# Altium PCB PCB_OBDH.PcbDoc (part 3 of 3)
Units mil, origin at the board's own origin, x right, y up, seen from the top; angles counter-clockwise.
Board outline 3627.19 x 3509.21 mil, 2 copper layers (Top Layer, Bottom Layer), stack 65.792 mil thick; 195 components, 145 nets, 736 pads, 309 vias.
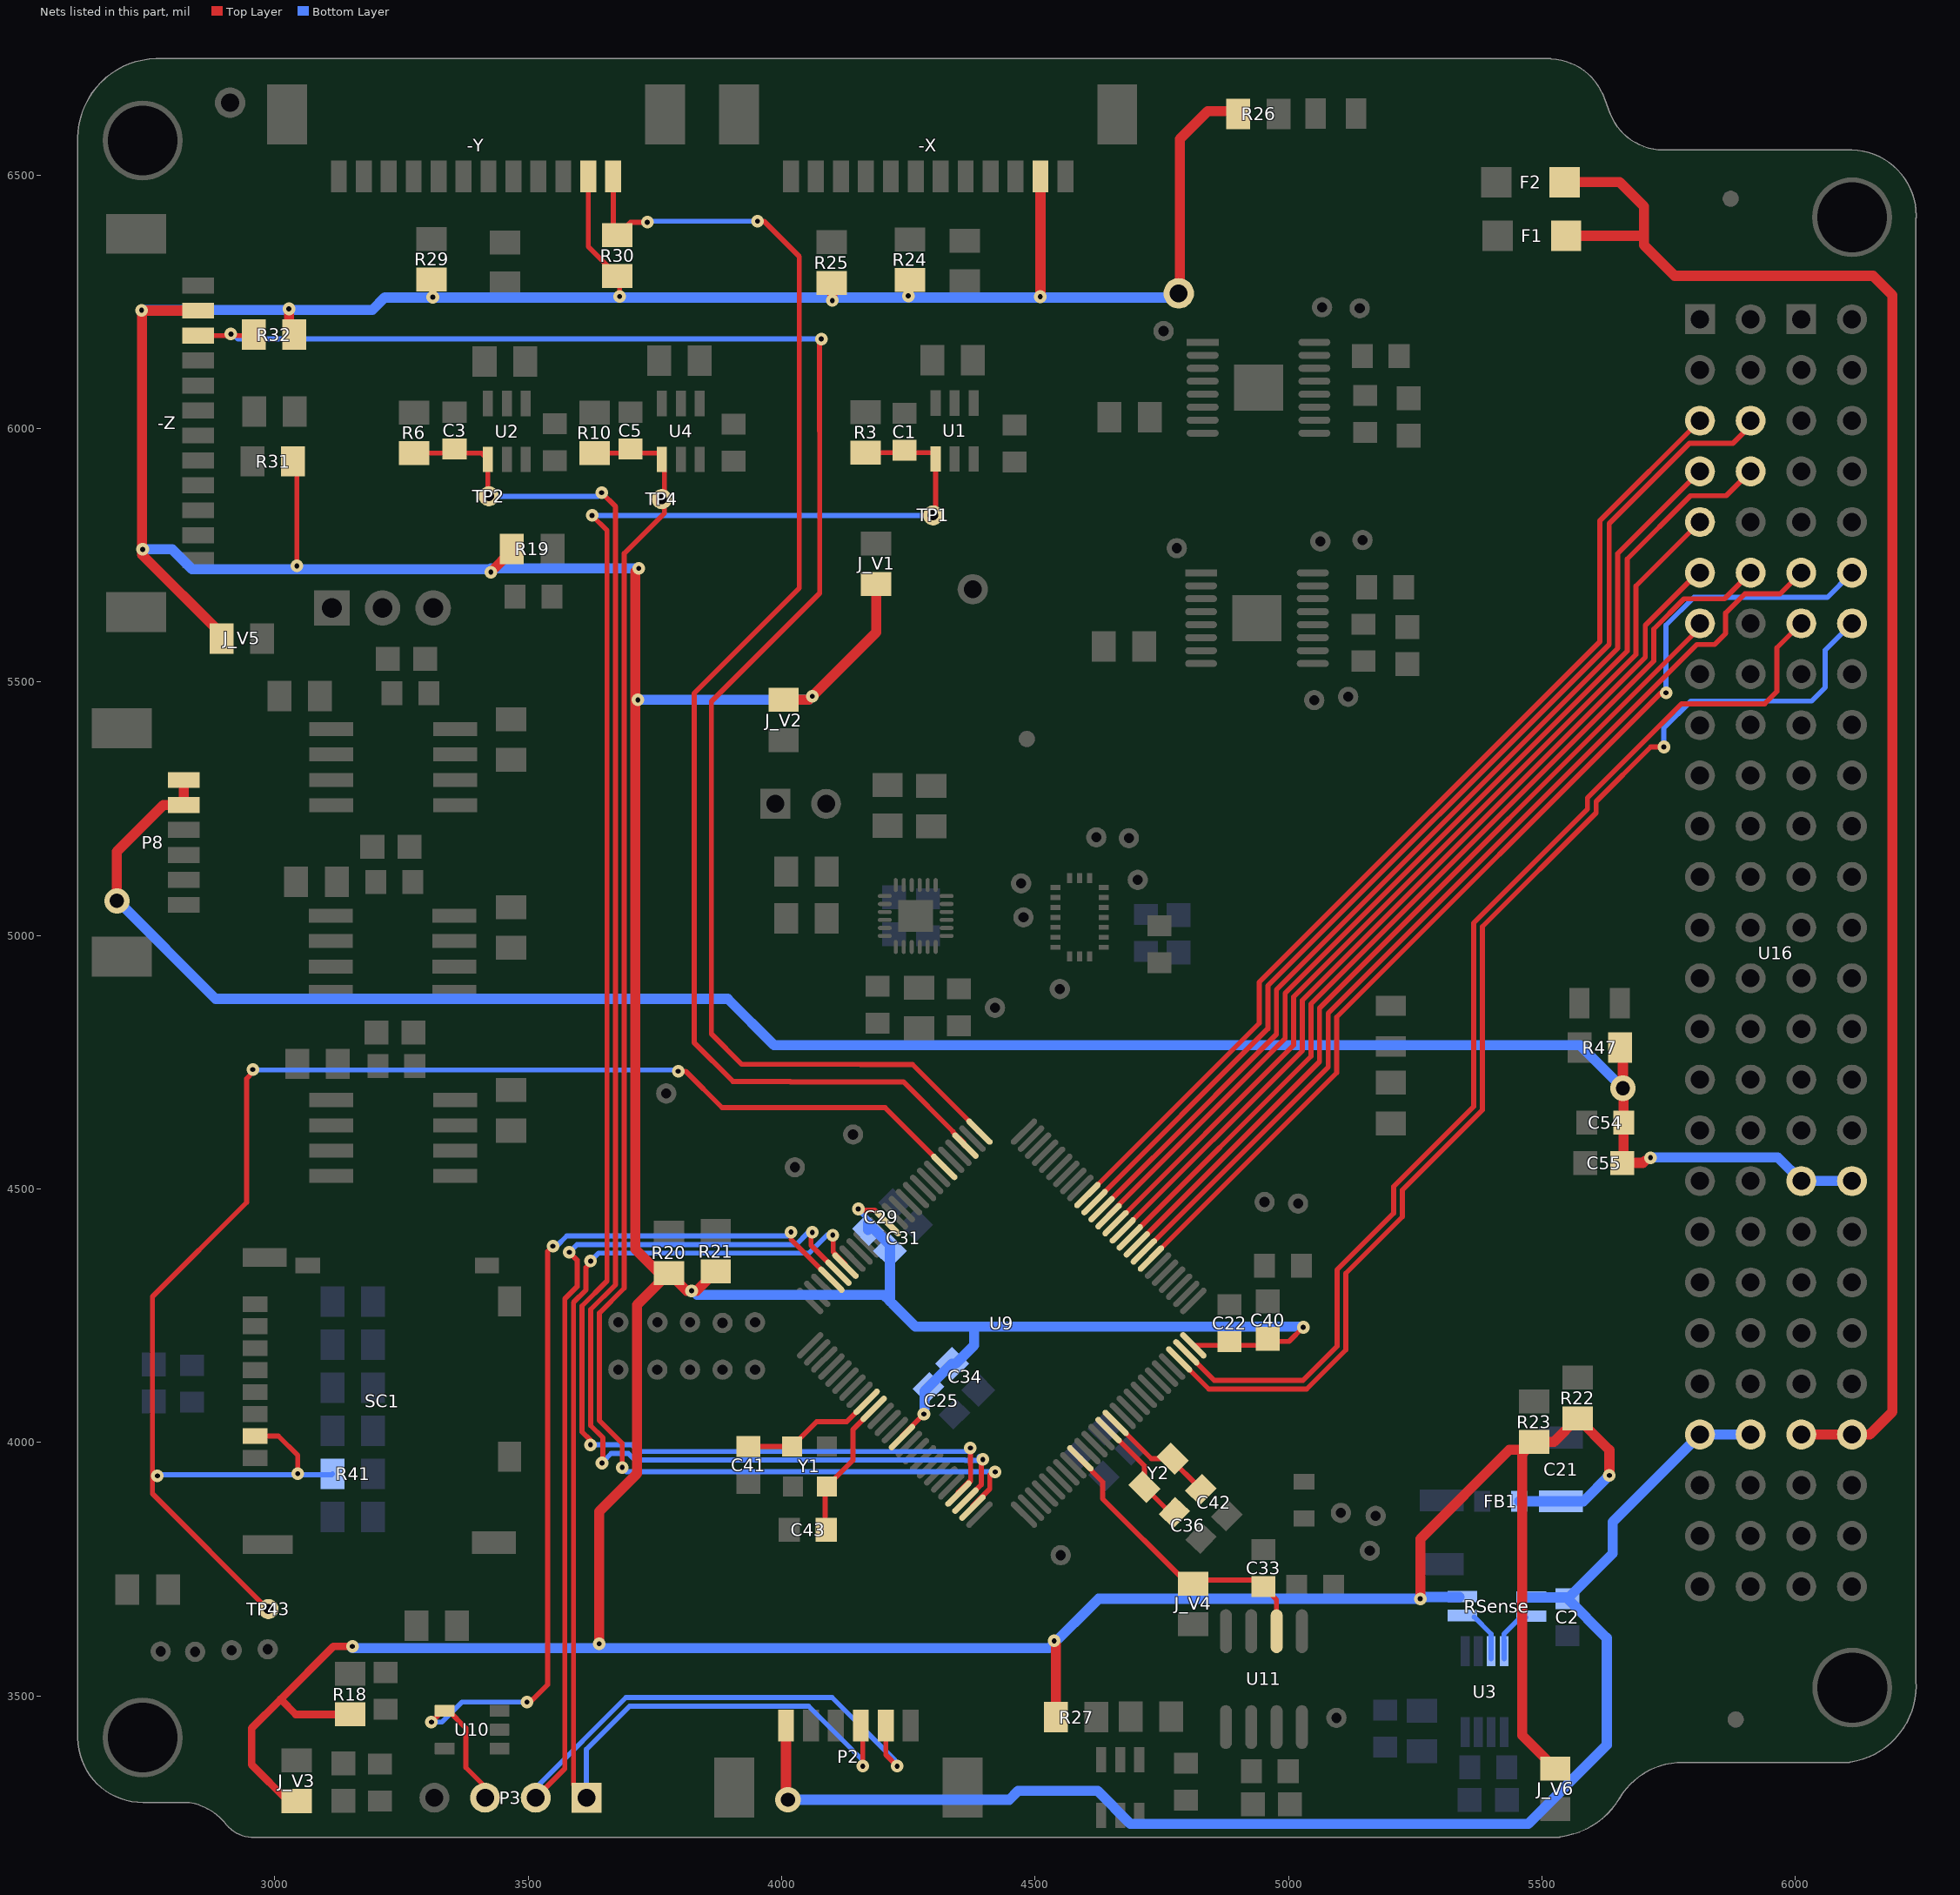
[diagram p3: the nets of this part, all layers, seen from the top]

## Via types
v1: diameter 25, hole 10, Top Layer to Bottom Layer, tented both sides, 261 vias
v2: diameter 50, hole 28, Top Layer to Bottom Layer, tented both sides, 46 vias
v3: diameter 30, hole 15, Top Layer to Bottom Layer, tented both sides, 2 vias

## Nets (pads, with @x,y where several pads share a name; then routed paths per layer and width w, separated by ;. In a path a pad name is that pad's centre, name@x,y a point inside that pad or via, vN(x,y) a via of type N, cw(c..) or ccw(c..) an arc to the next point about the centre after c; other vN are vias at no path point) (continued)
TEMP_Y_CSN: -Y.1 R30.1 U9.53 | length 2783.3
  Top Layer w10: -Y.1@3667.72,6497.64 3667.72,6389.61 R30.1@3675.98,6381.34 3701.73,6407.09 v1(3735.04,6407.09) ; v1(3952.36,6409.06) 3965.35,6409.06 4034.97,6339.44 4034.97,5685.34 3827.35,5477.71 3827.35,4788.98 3903.54,4712.79 3903.54,4711.95 4017.25,4711.95 4017.72,4711.49 4240.38,4711.49 4338.4,4613.47 4338.4,4612.19 4360.05,4590.54 4360.05,4585.51 U9.53@4362.57,4585.51
  Bottom Layer w10: v1(3735.04,6407.09) 3737.01,6409.06 v1(3952.36,6409.06) v1@3949.44,6406.14
TEMP_Z_CSN: -Z.3 R32.1 U9.51 | length 3342.1
  Top Layer w10: -Z.3@2848.82,6183.46 2956.46,6183.46 R32.1@2958.43,6185.43 ; v1@4074.8,6175.2 4074.8,5995.49 4075.11,5995.19 4075.11,5675.47 3861.35,5461.71 3861.35,4805.87 3921.26,4745.95 4155.44,4745.95 4155.91,4745.49 4258.26,4745.49 U9.51@4390.41,4613.35 U9.51@4387.89,4613.35
  Bottom Layer w10: v1@2919.29,6184.65 2927.17,6176.77 v1(4078.35,6176.77)
  other v1: 2913.39,6186.61
TTC_3V3_PA_EN: U9.35 U16.H1-12 | length 1865.4
  Top Layer w10: U9.35@4686.89,4404.55 5044.31,4761.97 5044.31,4865.07 5720.87,5541.63 5720.87,5604.72 5780.31,5664.17 5860.24,5664.17 U16.H1-12@5911.81,5715.75
TTC_CTRL_RF_SWT_RX: U9.41 U16.H1-5 | length 2028.2
  Top Layer w10: U9.41@4603.37,4488.07 4942.31,4827 4942.31,4908.03 5614.57,5580.29 5614.57,5818.5 U16.H1-5@5811.81,6015.75
TTC_CTRL_RF_SWT_TX: U9.40 U16.H1-6 | length 2128.1
  Top Layer w10: U9.40@4617.29,4474.15 4959.31,4816.17 4959.31,4900.99 5632.68,5574.36 5632.68,5812.57 5791.36,5971.26 5877.17,5971.26 5911.81,6005.91 U16.H1-6@5911.81,6015.75
TTC_GPIO0_MAIN: U9.39 U16.H1-7 | length 1944.7
  Top Layer w10: U9.39@4631.21,4460.23 4733.46,4562.48 4733.67,4562.48 4976.31,4805.12 4976.31,4893.24 5649.68,5566.61 5649.68,5753.61 U16.H1-7@5811.81,5915.75
TTC_GPIO1_MAIN: U9.38 U16.H1-8 | length 2035.4
  Top Layer w10: U9.38@4645.13,4446.31 4645.13,4448.83 4993.31,4797.01 4993.31,4886.19 5668.5,5561.39 5668.5,5742.91 5793.31,5867.72 5863.78,5867.72 U16.H1-8@5911.81,5915.75
TTC_GPIO2_MAIN: U9.37 U16.H1-9 | length 1860.8
  Top Layer w10: U9.37@4659.05,4432.39 5010.31,4783.65 5010.31,4879.15 5685.5,5554.35 5685.5,5689.44 U16.H1-9@5811.81,5815.75
TTC_RESETN_MAIN: U9.36 U16.H1-11 | length 1771.3
  Top Layer w10: U9.36@4672.97,4418.47 5027.31,4772.81 5027.31,4872.11 5703.87,5548.67 5703.87,5611.77 5807.85,5715.75 U16.H1-11@5811.81,5715.75
UART0_RX: P2.5 P3.2 U9.71 | length 2644.5
  Top Layer w10: P3.2@3514.96,3299.21 3572.37,3356.62 3572.37,4283.44 3596.46,4307.53 3596.46,4359.84 v1(3581.1,4375.2) ; v1@4057.87,4414.96 4057.87,4389.1 U9.71@4112.02,4334.96 ; P2.5@4205.51,3441.34 4205.51,3383.86 v1(4227.95,3361.42)
  Bottom Layer w10: P3.2@3523.62,3307.87 3523.62,3327.56 3692.98,3496.92 4099.54,3496.92 v1@4223.43,3373.03 ; v1(3581.1,4375.2) 3596.37,4390.46 4028.65,4390.46 4052.76,4414.57 v1(4060.63,4414.57)
UART0_TX: P2.4 P3.1 U9.70 | length 2458
  Top Layer w10: P3.1@3614.96,3299.21 3589.37,3324.8 3589.37,4276.4 3613.78,4300.81 3613.78,4345.35 3626.31,4357.87 v1(3623.23,4357.87) ; v1@4099.21,4411.81 4101.77,4409.26 4101.77,4375.56 4125.94,4351.39 U9.70@4125.94,4348.88 ; P2.4@4156.3,3441.34 4160.24,3437.4 v1(4160.24,3361.42)
  Bottom Layer w10: P3.1@3614.96,3299.21 3614.96,3394.86 3700.03,3479.92 4053.15,3479.92 4157.09,3375.98 ; v1(3623.23,4357.87) 3638.81,4373.46 4054.17,4373.46 4089.77,4409.06 v1(4100.79,4409.06)
UC_BEACON_0: U9.32 U16.H2-12 | length 2085.9
  Top Layer w10: U9.32@4728.65,4362.8 5095.31,4729.46 5095.31,4839.02 5735.03,5478.74 v1(5744.88,5478.74)
  Bottom Layer w10: v1(5744.88,5478.74) 5744.88,5612.2 5800,5667.32 6063.39,5667.32 U16.H2-12@6111.81,5715.75
UC_BEACON_1: U9.33 U16.H2-11 | length 1937.5
  Top Layer w10: U9.33@4714.73,4376.72 5078.31,4740.29 5078.31,4846.81 5805.71,5574.22 5840.76,5574.22 5862.6,5596.06 5862.6,5636.22 5900.6,5674.22 5970.09,5674.22 U16.H2-11@6011.61,5715.75
UC_BEACON_2: U9.23 U16.H2-14 | length 2386.4
  Top Layer w10: U9.23@4784.33,4163.75 4842.63,4105.44 5035.78,4105.44 5113.06,4182.72 5113.06,4333.7 5224.64,4445.28 5224.64,4497.84 5382.54,4655.74 5382.54,5017.64 5607,5242.1 5607,5264.48 5714.56,5372.05 v1(5740.55,5372.05)
  Bottom Layer w10: v1(5740.55,5372.05) 5740.55,5409.06 5794.09,5462.6 6032.28,5462.6 6059.06,5489.37 6059.06,5562.99 U16.H2-14@6111.81,5615.75
UC_BEACON_3: U9.24 U16.H2-13 | length 2249.8
  Top Layer w10: U9.24@4798.24,4177.67 4853.47,4122.44 5028.74,4122.44 5096.06,4189.76 5096.06,4340.74 5207.64,4452.32 5207.64,4504.89 5365.54,4662.78 5365.54,5024.68 5590,5249.14 5590,5271.52 5775.75,5457.28 5939.56,5457.28 5963.78,5481.5 5963.78,5567.72 U16.H2-13@6011.81,5615.75
USDCARD_CE: R41.1 SC1.2 TP43.1 U9.56 | length 3173.2
  Top Layer w10: v1(2956.69,4735.83) 2956.69,4730.08 2944.33,4717.72 2944.33,4473.35 2758.66,4287.68 2758.66,3898.84 2986.25,3671.26 TP43.1@2987.4,3671.26 ; SC1.2@2961.18,4012.8 3007.28,4012.8 3045.28,3974.8 v1(3045.28,3938.58) ; v1(3796.06,4732.28) 3810.63,4732.28 3882.43,4660.49 4204.07,4660.49 U9.56@4320.81,4543.75
  Bottom Layer w10: v1@2759.45,3936.22 3112.36,3936.22 R41.1@3113.94,3937.8 ; v1@2961.42,4731.1 2965.05,4734.74 3793.61,4734.74 v1(3796.06,4732.28)
  other v1: 2768.5,3934.25
VCC_3V3: -X.2 -Y.2 -Z.2 C21.1 C22.1 C25.1 C29.1 C31.1 C34.1 C40.1 FB1.1 J_V1.2 J_V2.2 J_V3.2 J_V5.2 J_V6.2 pad.4 R18.2 R19.2 R20.2 R21.2 R22.2 R23.2 R24.2 R25.2 R26.2 R27.1 R29.2 R30.2 R31.2 R32.2 RSense.2 U9.25 U9.64 U9.89 | length 14658.1
  Top Layer w10: v1(3043.7,5729.13) R31.2@3043.7,5927.8 ; -Y.2@3618.5,6497.64 3618.5,6358.82 R30.2@3675.98,6301.34 3680.32,6297.01 v1(3680.32,6260.63) ; v1@3812.52,4299.21 v1(3822.44,4299.21) ; v1@4159.84,4457.87 4183.97,4457.87 U9.64@4209.45,4432.39 ; U9.89@4237.29,4012.49 v1(4280.71,4055.91) ; U9.25@4812.16,4191.59 4946.79,4191.59 4950.74,4195.53 4950.74,4199.3 5001.27,4199.3 v1(5029.13,4227.17)
  Top Layer w15: J_V3.2@3026.77,3291.89 2954.28,3364.38 2954.28,3436.17 3011.61,3493.5 ; R18.2@3148.43,3463.54 3041.57,3463.54 3011.61,3493.5 ; v1(3153.15,3597.64) 3115.75,3597.64 3011.61,3493.5
  Top Layer w20: -Z.2@2848.82,6232.68 2738.19,6232.68 2738.19,5751.28 2895.04,5594.43 J_V5.2@2895.04,5585.83 ; v1(3027.95,6236.22) 3027.95,6201.42 3029.13,6200.24 3026.38,6197.48 R32.2@3038.43,6185.43 ; R31.2@3036.06,5935.43 R31.2@3043.7,5927.8 ; v1(3426.38,5716.93) 3467.87,5758.43 R19.2@3467.87,5762.6 ; v1(3640.2,3602.83) 3640.2,3863.84 3714.93,3938.57 3714.93,3956.3 3714.95,4271.57 R20.2@3777.56,4334.17 ; v1@3711.51,5717.81 3711.51,4381.01 3758.35,4334.17 R20.2@3777.56,4334.17 ; v1@3812.52,4299.21 R20.2@3777.56,4334.17 ; v1@3832.13,4299.21 R21.2@3870.08,4337.17 ; J_V2.2@4003.94,5465.2 v1@4053.78,5465.2 ; v1(4060.63,5472.05) 4186.61,5598.03 J_V1.2@4186.61,5693.46 ; R25.2@4098.43,6287.56 R25.2@4109.21,6287.56 ; v1(4100,6252.76) R25.2@4100,6285.98 ; v1@4509.45,6260.24 4510.63,6261.42 -X.2@4510.63,6497.64 ; v1@4537.4,3606.69 4541.1,3602.99 R27.1@4541.1,3458.27 ; pad.4@4783.46,6266.93 ccw(c4777.76,6272.63) 4785.83,6272.63 4785.83,6571.26 4840.94,6626.38 R26.2@4895.43,6626.38 ; pad.4@4788.19,6258.66 pad.4@4788.19,6266.93 ; v1(5260.11,3691.61) 5260.11,3809.72 5435.83,3985.43 R23.2@5469.13,3985.43 ; J_V6.2@5526.38,3356.93 5461.02,3422.28 5461.02,3977.32 R23.2@5469.13,3985.43 ; v1(5633.07,3935.04) 5633.07,3985.2 R22.2@5570.47,4047.8 5523.62,4000.94 R23.2@5484.65,4000.94 R23.2@5469.13,3985.43
  Bottom Layer w10: v1@4151.18,4459.06 C29.1@4170.31,4439.92
  Bottom Layer w20: v1(2737.4,6233.46) 2737.81,6233.87 3192.53,6233.87 3217.32,6258.66 pad.4@4788.19,6258.66 ; v1(2739.37,5761.81) 2797.64,5761.81 2836.61,5722.83 v1@3419.29,5722.83 ; v1@3153.15,3594.05 4527.91,3594.05 4625.47,3691.61 v1(5260.11,3691.61) 5263.78,3695.28 RSense.2@5337.2,3695.28 ; v1@3426.38,5724.41 v1(3718.11,5724.41) ; v1(3716.54,5464.96) 4031.89,5464.96 4031.65,5465.2 v1@4053.78,5465.2 ; 3833.07,4290.94 4201.59,4290.94 4213.81,4278.73 4213.81,4377.59 C31.1@4213.87,4377.65 4213.87,4389.28 4170.31,4432.84 C29.1@4170.31,4419.13 ; v1@4151.18,4459.06 v1(4151.18,4460.63) ; 4218.5,4274.01 4264.13,4228.37 4379.92,4228.37 ; v1@4282.28,4066.54 4282.28,4101.39 C34.1@4336.31,4155.42 4344,4155.42 4379.92,4191.34 4379.92,4228.37 ; v1(5029.13,4227.17) 5027.93,4228.37 4379.92,4228.37 ; FB1.1@5454.92,3883.86 C21.1@5537.8,3883.86 5581.89,3883.86 v1(5633.07,3935.04)
  other v1: 4537.67,3608.54 3311.81,6259.45 4510.24,6260.24 4250,6261.81
VCC_3V3_DEPLOYMENT: C54.1 C55.1 P8.1 P8.2 R47.2 U16.H2-35 U16.H2-36 | length 4145.4
  Top Layer w20: v2(2688.58,5068.5) 2688.58,5165.75 2780.32,5257.48 P8.2@2820.47,5257.48 P8.1@2820.47,5306.69 ; v2(5659.84,4698.82) R47.2@5659.84,4773.07 ; v2@5661.22,4717.76 C54.1@5661.22,4631.1 5661.22,4554.13 C55.1@5658.66,4551.57 5699.21,4551.57 5703.15,4555.51
  Bottom Layer w20: v2(2688.58,5068.5) 2690.16,5068.5 2883.46,4875.2 3893.7,4875.2 3985.04,4783.86 5574.8,4783.86 v2(5659.84,4698.82) ; v1(5714.17,4561.81) 5714.64,4562.28 5965.28,4562.28 U16.H2-35@6011.81,4515.75 U16.H2-36@6111.81,4515.75
VCC_3V3_SOURCE: C2.1 P2.1 RSense.1 U16.H1-45 U16.H1-46 | length 2788.3
  Top Layer w10: v2@4005.91,3301.97 v2@4008.66,3304.72 ; P2.1@4008.66,3441.34 P2.1@4009.45,3442.13
  Top Layer w20: v2@4008.66,3304.72 P2.1@4008.66,3441.34
  Bottom Layer w20: v2(4012.6,3295.28) 4449.23,3295.28 4466.52,3312.57 4623.27,3312.57 4688.1,3247.74 5472.93,3247.74 5627.95,3402.77 5627.95,3614.37 C2.1@5550.39,3691.93 C2.1@5552.76,3694.29 ; RSense.1@5473.03,3694.29 C2.1@5552.76,3694.29 ; U16.H1-46@5911.81,4015.75 U16.H1-45@5811.81,4015.75 5639.37,3843.31 5639.37,3780.91 C2.1@5552.76,3694.29
VCC_5V_EN: U9.34 U16.H1-13 | length 1685.3
  Top Layer w10: U9.34@4700.81,4390.63 5061.31,4751.13 5061.31,4856.69 5811.81,5607.2 U16.H1-13@5811.81,5615.75
VCC_MAGNETORQUER: F1.2 F2.2 U16.H2-45 U16.H2-46 | length 3338.1
  Top Layer w20: F2.2@5545.06,6486.22 5653.15,6486.22 5701.18,6438.19 5701.18,6379.92 ; F1.2@5547.81,6380.31 5700.79,6380.31 5701.18,6379.92 ; U16.H2-45@6011.81,4015.75 U16.H2-46@6111.81,4015.75 6146.85,4015.75 6191.73,4060.63 6191.73,6262.99 6153.15,6301.57 5761.81,6301.57 5701.18,6362.2 5701.18,6379.92
VREF: C33.1 J_V4.1 U9.9 U11.6 | length 588.3
  Top Layer w10: U9.9@4589.45,3968.88 4589.45,3966.36 4633.61,3922.21 4633.61,3888.89 4794.12,3728.37 4937.97,3728.37 C33.1@4950.39,3715.94 4976.38,3689.96 4976.38,3633.46 U11.6@4970.47,3627.56
VSENSE2_N: RSense.4 U3.7 | length 96.4
  Bottom Layer w10: RSense.4@5366.14,3655.91 5399.8,3622.24 U3.7@5399.8,3573.43
VSENSE2_P: RSense.3 U3.8 | length 105.6
  Bottom Layer w10: U3.8@5425.39,3573.43 5425.39,3610.45 5425.1,3610.75 5425.1,3622.34 5457.33,3654.58 RSense.3@5468.26,3654.58
WDI_EXT: P3.3 U9.72 U10.4 | length 1962.4
  Top Layer w10: v1(3309.06,3448.43) 3331.5,3470.87 U10.4@3335.24,3470.87 3342.91,3470.87 3377.17,3436.61 3377.17,3358.66 3414.96,3320.87 P3.3@3414.96,3299.21 ; v1@3506.69,3490.55 3538.37,3522.23 3538.37,4376.95 v1(3548.81,4387.39) ; v1(4018.5,4414.96) 4018.5,4400.63 U9.72@4098.1,4321.04
  Bottom Layer w10: v1(3309.06,3448.43) 3329.92,3448.43 3369.29,3487.8 v1(3497.64,3487.8) ; v1(3548.81,4387.39) 3555.96,4387.39 3576.03,4407.46 v1@4012.2,4407.46
X_SUNSEN_ADC: C1.2 R3.1 TP1.1 U1.4 U9.97 | length 3692.3
  Top Layer w10: v1(3622.83,3995.28) 3622.83,4004.4 3606.37,4020.87 3606.37,4269.36 3655.51,4318.5 3655.51,5799.21 v1(3625.98,5828.74) ; R3.1@4165.75,5952.52 U1.4@4305.51,5952.52 ; TP1.1@4298.82,5828.74 4303.94,5833.86 U1.4@4303.94,5940.16 ; TP1.1@4302.76,5815.75 TP1.1@4303.94,5816.93 ; v1@4372.44,3986.22 4372.35,3986.13 4372.35,3956.39 4372.82,3955.92 4372.82,3925.97 ; 4372.82,3925.97 4348.65,3901.8 U9.97@4348.65,3899.28 4372.82,3923.45 4372.82,3925.97
  Bottom Layer w10: v1(3622.83,3995.28) 3704.68,3995.28 3717.67,3982.28 4365.35,3982.28 4372.04,3988.97 v1(4372.43,3988.97) ; v1(3625.98,5828.74) TP1.1@4298.82,5828.74
XT1IN: C36.2 U9.13 Y2.1 | length 221.5
  Top Layer w10: U9.13@4645.13,4024.55 4715.86,3953.82 Y2.1@4715.86,3912.32 4766.59,3861.59 C36.2@4774.82,3861.59
XT1OUT: C42.2 U9.14 Y2.2 | length 220.2
  Top Layer w10: U9.14@4659.05,4038.47 4729.53,3968 Y2.2@4771.54,3968 4771.54,3963.5 4820.71,3914.33 C42.2@4820.71,3918.83
XT2_N: C41.1 U9.84 Y1.1 | length 254.4
  Top Layer w10: C41.1@3949.8,3992.13 Y1.1@4020.47,3992.13 4069.29,4040.94 4128.41,4040.94 U9.84@4167.7,4080.23
XT2_P: C43.1 U9.85 Y1.3 | length 258.7
  Top Layer w10: C43.1@4085.83,3842.32 Y1.3@4085.83,3909.84 ; Y1.3@4089.37,3913.39 4140.55,3964.57 4140.55,4025.25 U9.85@4181.61,4066.31
Y_SUNSEN_ADC: C3.2 R6.1 TP2.1 U2.4 U9.98 | length 3255.1
  Top Layer w10: R6.1@3274.81,5951.73 3408.12,5951.73 U2.4@3420.48,5939.37 TP2.1@3420.48,5855.51 ; v1(3644.88,5873.62) 3672.51,5845.99 3672.51,4311.46 3623.37,4262.32 3623.37,4033.46 3647.33,4009.5 3647.33,3961.11 v1(3645.67,3959.45) ; U9.98@4362.57,3885.36 4393.77,3916.56 v1@4393.77,3956.3
  Bottom Layer w10: TP2.1@3435.04,5866.54 3637.8,5866.54 v1(3644.88,5873.62) ; 3655.12,3969.68 3663.71,3978.28 3697.64,3978.28 3710.63,3965.28 4361.47,3965.28 4362.28,3964.47 4382.58,3964.47 4382.98,3964.87 4395.19,3964.87 v1(4396.85,3966.54) 4390.75,3972.64 4389.35,3971.24 v1@4389.35,3966.54
Z_SUNSEN_ADC: C5.2 R10.1 TP4.1 U4.4 U9.99 | length 3001
  Top Layer w10: R10.1@3625.98,5951.73 R10.1@3630.71,5951.73 U4.4@3762.2,5951.73 ; v1(3685.43,3950.79) 3685.43,3998.24 3640.37,4043.31 3640.37,4255.28 3689.51,4304.42 3689.51,5753.69 3768.9,5833.07 3768.9,5917.32 U4.4@3763.78,5922.44 ; U9.99@4376.49,3871.44 4376.49,3873.96 4410.77,3908.24 v1@4410.77,3936.76
  Bottom Layer w10: v1(3685.43,3950.79) 3693.5,3942.72 3694.18,3942.04 4420.96,3942.04 v1(4421.26,3941.73)
pads on no net: -X.0 -X.9 -Y.0 -Y.9 -Z.0 -Z.9 FD5.1 FD5_1.1 FD5_2.1 FD9.1 FD9_1.1 FD9_2.1 P2.0 P8.0 U3.4 U3.5 U5.5 U5.8 U5.16 U5.18 U6.2 U6.3 U6.4 U6.5 U6.6 U6.7 U6.14 U6.15 U6.16 U6.17 U6.19 U6.21 U6.25 U8.5 U8.7 U8.9 U8.10 U9.91 U9.92 U9.93 U9.94 U11.1 U11.7 U11.8 U16.H1-1 U16.H1-2 U16.H1-3 U16.H1-4 U16.H1-10 U16.H1-14 U16.H1-15 U16.H1-16 U16.H1-17 U16.H1-19 U16.H1-21 U16.H1-22 U16.H1-23 U16.H1-24 U16.H1-25 U16.H1-26 U16.H1-27 U16.H1-28 U16.H1-33 U16.H1-34 U16.H1-36 U16.H1-38 U16.H1-42 U16.H1-44 U16.H1-47 U16.H1-48 U16.H1-49 U16.H1-50 U16.H1-51 U16.H1-52 U16.H2-1 U16.H2-2 U16.H2-3 U16.H2-4 U16.H2-5 U16.H2-6 U16.H2-7 U16.H2-8 U16.H2-9 U16.H2-10 U16.H2-15 U16.H2-16 U16.H2-17 U16.H2-18 U16.H2-19 U16.H2-20 U16.H2-21 U16.H2-22 U16.H2-23 U16.H2-24 U16.H2-25 U16.H2-26 U16.H2-27 U16.H2-28 U16.H2-33 U16.H2-34 U16.H2-37 U16.H2-38 U16.H2-39 U16.H2-40 U16.H2-41 U16.H2-42 U16.H2-43 U16.H2-44 U16.H2-47 U16.H2-48 U16.H2-49 U16.H2-50 U16.H2-51 U16.H2-52

## Polygon pours and split planes (outlines as drawn)
GND on Bottom Layer "Top Layer-No Net" (solid, pour order 23): 6214.17,3523.23 6214.17,6412.12 ccw(c6114.17,6412.12) 6184.88,6482.83 6168.11,6499.61 6167.08,6500.63 ccw(c6096.37,6429.92) 6096.37,6529.92 6072.05,6529.92 5726.07,6529.92 cw(c5726.07,6629.92) 5655.36,6559.21 5644.88,6569.69 cw(c5644.88,6571.59) 5643.54,6570.24 5609.84,6603.94 5533.62,6680.16 ccw(c5462.91,6609.45) 5462.91,6709.45 5372.83,6709.45 2760.71,6709.45 ccw(c2760.71,6609.45) 2690,6680.16 2673.23,6663.39 2660,6650.16 ccw(c2730.71,6579.44) 2630.71,6579.44 2630.71,6522.44 2630.71,3414.96 ccw(c2721,3414.96) 2657.16,3351.11 2679.53,3328.74 ccw(c2720.4,3369.61) 2720.4,3311.81 2797.24,3311.81 2837.32,3311.81 cw(c2837.32,3211.81) 2908.03,3282.52 2928.35,3262.2 2928.89,3261.66 ccw(c2977.95,3310.72) 2977.95,3241.34 5523.54,3241.34 ccw(c5523.54,3341.34) 5594.25,3270.63 5625.59,3301.97 5683.7,3360.08 cw(c5754.41,3289.37) 5754.41,3389.37 5820.87,3389.37 6095.41,3389.37 ccw(c6095.41,3488.84) 6165.75,3418.5 6184.88,3437.64 ccw(c6114.17,3508.35) 6214.17,3508.35 6214.17,3523.23
AGND on Bottom Layer "AGND" (solid, pour order 8): 5590.16,3235.59 5590.16,3928.74 4551.57,3928.74 4539.37,3916.54 4539.37,3237.01
GND on Top Layer "Top Layer-GND" (solid, pour order 21): 6212.6,3521.65 6212.6,6410.55 ccw(c6112.6,6410.55) 6183.31,6481.26 6166.54,6498.03 6165.51,6499.06 ccw(c6094.8,6428.35) 6094.8,6528.35 6070.47,6528.35 5724.49,6528.35 cw(c5724.49,6628.35) 5653.78,6557.64 5643.31,6568.11 cw(c5643.31,6570.01) 5641.96,6568.67 5608.27,6602.36 5532.05,6678.58 ccw(c5461.33,6607.87) 5461.33,6707.87 5371.26,6707.87 2759.14,6707.87 ccw(c2759.14,6607.87) 2688.43,6678.58 2671.65,6661.81 2658.42,6648.58 ccw(c2729.13,6577.87) 2629.13,6577.87 2629.13,6520.87 2629.13,3413.39 ccw(c2719.43,3413.39) 2655.58,3349.54 2677.95,3327.17 ccw(c2718.82,3368.04) 2718.82,3310.24 2795.67,3310.24 2835.74,3310.24 cw(c2835.74,3210.24) 2906.45,3280.95 2926.77,3260.63 2927.32,3260.09 ccw(c2976.38,3309.15) 2976.38,3239.76 5521.96,3239.76 ccw(c5521.96,3339.76) 5592.68,3269.05 5624.02,3300.39 5682.13,3358.51 cw(c5752.84,3287.8) 5752.84,3387.8 5819.29,3387.8 6093.84,3387.8 ccw(c6093.84,3487.26) 6164.17,3416.93 6183.31,3436.07 ccw(c6112.6,3506.78) 6212.6,3506.78 6212.6,3521.65
AGND on Top Layer "A-GND" (solid, pour order 0): 5400,3230.32 5593.31,3230.32 5593.31,3866.93 4958.66,3866.93 4714.17,3622.44 4558.27,3466.54 4558.27,3230.32

## Keep-outs
Keep-Out Layer:
  lines w10: 2616.3,6572.35 2616.3,3416.85 ccw(c2739.33,3417.83) 2740.31,3294.8 2831.85,3294.8 cw(c2812.42,3175.14) 2908.9,3248.54 ccw(c2959.02,3292.21) 2959.8,3225.74 5532.68,3225.74 ; 2616.46,6569.32 cw(c2769,6572.35) 2765.97,6724.89 ; 2766.89,6724.92 5476.94,6724.92 ; 5474.33,6723.77 cw(c5476.94,6559.08) 5631.83,6615.11 ; 5504.57,3226.78 ccw(c5517.9,3378.72) 5649.03,3300.81 cw(c5777.23,3224.98) 5766.54,3373.54 6105.67,3373.54 ; 5630.97,6618.06 ccw(c5739.03,6661.14) 5738.53,6544.8 ; 5739.03,6544.8 6111.38,6544.8 cw(c6108.52,6419.9) 6233.43,6417.05 ; 6101.97,3373.62 ccw(c6086.18,3519.83) 6232.3,3536.44 ; 6232.56,3529.84 6232.56,6419.91
  lines w30: 2600.39,6581.1 cw(c2778.8,6559.28) 2749.91,6736.67 ; 2605.12,3404.73 ccw(c2728.15,3405.71) 2729.13,3282.68 2820.67,3282.68 cw(c2801.24,3163.01) 2897.72,3236.42 ; 2901.07,3233.43 ccw(c2951.19,3277.1) 2951.97,3210.63 ; 5485.83,6735.04 cw(c5491.51,6579.93) 5630.4,6649.22 ; 5510.37,3216.89 ccw(c5523.7,3368.84) 5647.64,3279.92 ; 5631.59,6647.95 ccw(c5758.64,6688.44) 5749.21,6555.43 6103.46,6555.43 ; 5651.97,3286.61 cw(c5780.17,3210.78) 5769.47,3359.35 ; 5773.07,3361.42 6112.2,3361.42 ccw(c6096.42,3507.63) 6242.54,3524.23 ; 6090.82,6555 cw(c6087.32,6401.7) 6240.61,6398.2

## Other copper
Top Layer:
  pour cut-out: 4777.95,4240.16 4778.74,4240.94 4924.41,4240.94 4924.41,4305.51 4916.93,4312.99 4822.05,4312.99 4822.05,4305.91 4774.8,4258.66
  pour cut-out: 4972.54,3292.91 4972.54,3372.73 4999.21,3399.61 4999.21,3480.71 5012.99,3494.49 5040.16,3494.49 5051.57,3483.07 5051.18,3482.68 5051.18,3365.75 5031.5,3346.06 5031.5,3291.41
  pour cut-out: 3167.72,4547.24 3060.24,4547.24 3060.24,4503.94 3059.45,4503.15 3062.01,4500.59 3168.86,4500.59
  pour cut-out: 3165.35,4711.02 3235.04,4711.02 3235.04,4772.83 3165.35,4772.83
  pour cut-out: 3167.28,4863.98 3166.93,4864.33 3166.93,4912.2 3059.06,4912.2 3059.45,4911.81 3059.45,4864.17
  pour cut-out: 3169.68,5071.65 3229.92,5071.65 3231.1,5072.83 3231.1,5138.19 3170.87,5138.19 3169.68,5139.37
  pour cut-out: 2995.67,4163.78 2995.67,4208.27 2888.98,4208.27 2877.95,4197.24 2878.74,4196.46 2878.74,4179.53 2894.49,4163.78
  pour cut-out: 3056.69,5233.07 3056.69,5281.5 3183.07,5281.5 3168.9,5267.32 3168.9,5233.07
  pour cut-out: 3260.24,5448.03 3260.24,5517.32 3192.13,5517.32 3192.13,5449.21 3192.91,5448.43
  pour cut-out: 4324.02,6011.81 4324.02,6085.83 4359.84,6085.83 4359.84,6012.6 4359.45,6012.2
  pour cut-out: 3819.29,6015.35 3819.29,6085.04 3819.68,6085.43 3819.29,6085.83 3782.68,6085.83 3782.68,6019.29 3786.61,6015.35
  pour cut-out: 3475.2,6014.61 3475.2,6082.68 3474.41,6083.46 3438.58,6083.46 3438.58,6015 3438.98,6014.61
  pour cut-out: 4279.53,4991.73 4299.61,4991.73 4299.4,4991.93 4299.4,5007.32 4275.43,5007.32 4274.41,5006.3
  pour cut-out: 4306.3,5064.96 4384.65,5064.96 4384.65,5106.3 4383.86,5107.09 4383.07,5106.3 4303.48,5106.3
  pour cut-out: 4618.11,4981.1 4618.5,4981.5 4692.91,4981.5 4692.91,5029.53 4674.02,5048.43 4617.72,5048.43 4618.5,5049.21
  pour cut-out: 4247.24,4406.69 4267.32,4426.77 ccw(c4259.99,4427.17) 4265.18,4432.35 4184.53,4512.99 4151.97,4487.8 4242.91,4400.39
  pour cut-out: 4225.98,3953.54 4204.72,3974.8 4307.55,4077.63 cw(c4310.24,4074.94) 4310.24,4078.74 4310.24,4078.35 4344.49,4044.09 4268.28,3967.88 cw(c4227.95,4008.21) 4227.95,3951.18
  pour cut-out: 5883.46,3510.62 cw(c5883.46,3456.44) 5921.77,3494.75 5926.38,3490.14 cw(c5898.81,3462.58) 5937.8,3462.58 5937.8,3455.89 cw(c5883.62,3455.89) 5921.93,3417.58 5920.08,3415.73 cw(c5886.81,3449) 5886.81,3401.95 5883.46,3401.95 cw(c5883.46,3459.93) 5842.47,3418.94 5838.58,3422.82 cw(c5864.25,3448.48) 5827.95,3448.48 5827.95,3462.98 cw(c5864.07,3462.98) 5838.53,3488.52 5846.99,3496.97 cw(c5879.92,3464.04) 5879.92,3510.62
  pour cut-out: 5874.02,6510.62 cw(c5874.02,6456.44) 5912.32,6494.75 5916.93,6490.14 cw(c5889.36,6462.58) 5928.35,6462.58 5928.35,6455.89 cw(c5874.17,6455.89) 5912.48,6417.58 5910.63,6415.73 cw(c5877.36,6449) 5877.36,6401.95 5874.02,6401.95 cw(c5874.02,6459.93) 5833.02,6418.94 5829.13,6422.82 cw(c5854.8,6448.48) 5818.5,6448.48 5818.5,6462.98 cw(c5854.62,6462.98) 5829.08,6488.52 5837.54,6496.97 cw(c5870.47,6464.04) 5870.47,6510.62
  pour cut-out: 4486.61,5445.66 cw(c4486.61,5391.48) 4524.92,5429.79 4529.53,5425.18 cw(c4501.96,5397.62) 4540.95,5397.62 4540.95,5390.93 cw(c4486.77,5390.93) 4525.08,5352.62 4523.23,5350.77 cw(c4489.96,5384.04) 4489.96,5336.99 4486.61,5336.99 cw(c4486.61,5394.97) 4445.62,5353.98 4441.73,5357.86 cw(c4467.4,5383.52) 4431.1,5383.52 4431.1,5398.02 cw(c4467.22,5398.02) 4441.68,5423.56 4450.14,5432.01 cw(c4483.07,5399.08) 4483.07,5445.66
  pour cut-out: 5885.04,3511.4 cw(c5885.04,3457.23) 5923.35,3495.54 5927.95,3490.93 cw(c5900.39,3463.36) 5939.37,3463.36 5939.37,3456.68 cw(c5885.2,3456.68) 5923.5,3418.37 5921.65,3416.52 cw(c5888.39,3449.79) 5888.39,3402.74 5885.04,3402.74 cw(c5885.04,3460.72) 5844.04,3419.72 5840.16,3423.61 cw(c5865.82,3449.27) 5829.53,3449.27 5829.53,3463.77 cw(c5865.65,3463.77) 5840.11,3489.31 5848.56,3497.76 cw(c5881.5,3464.83) 5881.5,3511.4
  pour cut-out: 4486.61,5445.66 cw(c4486.61,5391.48) 4524.92,5429.79 4529.53,5425.18 cw(c4501.96,5397.62) 4540.95,5397.62 4540.95,5390.93 cw(c4486.77,5390.93) 4525.08,5352.62 4523.23,5350.77 cw(c4489.96,5384.04) 4489.96,5336.99 4486.61,5336.99 cw(c4486.61,5394.97) 4445.62,5353.98 4441.73,5357.86 cw(c4467.4,5383.52) 4431.1,5383.52 4431.1,5398.02 cw(c4467.22,5398.02) 4441.68,5423.56 4450.14,5432.01 cw(c4483.07,5399.08) 4483.07,5445.66
  pour cut-out: 5875.2,6511.4 cw(c5875.2,6457.23) 5913.51,6495.54 5918.11,6490.93 cw(c5890.54,6463.36) 5929.53,6463.36 5929.53,6456.68 cw(c5875.35,6456.68) 5913.66,6418.37 5911.81,6416.52 cw(c5878.54,6449.79) 5878.54,6402.74 5875.2,6402.74 cw(c5875.2,6460.72) 5834.2,6419.72 5830.31,6423.61 cw(c5855.98,6449.27) 5819.69,6449.27 5819.69,6463.77 cw(c5855.8,6463.77) 5830.26,6489.31 5838.72,6497.76 cw(c5871.65,6464.83) 5871.65,6511.4
Bottom Layer:
  pour cut-out: 4340.94,4107.48 4401.18,4047.24 4400.79,4047.24 4343.31,3989.76 4280.71,4052.36 4280.71,4055.91
  pour cut-out: 4217.72,4413.78 4215.35,4413.78 4153.15,4475.98 4153.15,4498.03 4153.94,4498.03 4167.72,4511.81 4227.95,4511.81 4271.65,4468.11
  pour cut-out: 5330.31,3329.28 5330.31,3468.07 5388.58,3468.07 5388.58,3327.42
  pour cut-out: 2804.72,4121.26 2859.45,4121.26 2918.11,4179.92 2918.11,4196.46 2916.54,4196.46 2910.24,4202.76 2886.22,4202.76 2862.99,4179.53 2802.08,4179.53
  pour cut-out: 4318.31,5035.83 4259.65,5035.83 4259.65,5105.65 4318.31,5105.42
  pour cut-out: 4318.5,5059.06 4377.56,5059.06 4390.16,5071.65 4389.37,5072.44 4389.37,5092.91 4376.87,5105.42 4318.31,5105.42
  pour cut-out: 4760.24,4933.07 4760.24,4999.21 4733.07,5026.38 4657.87,5026.38 4657.87,4971.65 4696.46,4933.07
  pour cut-out: 4485.43,5445.26 cw(c4485.43,5391.08) 4523.74,5429.39 4528.35,5424.79 cw(c4500.78,5397.22) 4539.77,5397.22 4539.77,5390.54 cw(c4485.59,5390.54) 4523.9,5352.23 4522.05,5350.38 cw(c4488.78,5383.65) 4488.78,5336.6 4485.43,5336.6 cw(c4485.43,5394.58) 4444.44,5353.58 4440.55,5357.47 cw(c4466.21,5383.13) 4429.92,5383.13 4429.92,5397.62 cw(c4466.04,5397.62) 4440.5,5423.16 4448.96,5431.62 cw(c4481.89,5398.69) 4481.89,5445.26
  pour cut-out: 5872.83,6511.01 cw(c5872.83,6456.83) 5911.14,6495.14 5915.75,6490.54 cw(c5888.18,6462.97) 5927.17,6462.97 5927.17,6456.29 cw(c5872.99,6456.29) 5911.3,6417.98 5909.45,6416.13 cw(c5876.18,6449.39) 5876.18,6402.35 5872.83,6402.35 cw(c5872.83,6460.33) 5831.84,6419.33 5827.95,6423.21 cw(c5853.62,6448.88) 5817.32,6448.88 5817.32,6463.37 cw(c5853.44,6463.37) 5827.9,6488.91 5836.36,6497.37 cw(c5869.29,6464.44) 5869.29,6511.01
  pour cut-out: 5882.7,3511 cw(c5882.7,3456.82) 5921.01,3495.13 5925.62,3490.53 cw(c5898.05,3462.96) 5937.04,3462.96 5937.04,3456.27 cw(c5882.86,3456.27) 5921.17,3417.97 5919.32,3416.12 cw(c5886.05,3449.38) 5886.05,3402.34 5882.7,3402.34 cw(c5882.7,3460.32) 5841.71,3419.32 5837.82,3423.2 cw(c5863.48,3448.86) 5827.19,3448.86 5827.19,3463.36 cw(c5863.31,3463.36) 5837.77,3488.9 5846.23,3497.36 cw(c5879.16,3464.42) 5879.16,3511
  pour cut-out: 5884.41,3510.78 cw(c5884.41,3456.61) 5922.71,3494.91 5927.32,3490.31 cw(c5899.75,3462.74) 5938.74,3462.74 5938.74,3456.06 cw(c5884.56,3456.06) 5922.87,3417.75 5921.02,3415.9 cw(c5887.75,3449.17) 5887.75,3402.12 5884.41,3402.12 cw(c5884.41,3460.1) 5843.41,3419.1 5839.52,3422.99 cw(c5865.19,3448.65) 5828.89,3448.65 5828.89,3463.15 cw(c5865.01,3463.15) 5839.47,3488.68 5847.93,3497.14 cw(c5880.86,3464.21) 5880.86,3510.78
  pour cut-out: 4485.98,5445.03 cw(c4485.98,5390.86) 4524.29,5429.17 4528.89,5424.56 cw(c4501.33,5397) 4540.31,5397 4540.31,5390.31 cw(c4486.14,5390.31) 4524.44,5352 4522.59,5350.15 cw(c4489.33,5383.42) 4489.33,5336.37 4485.98,5336.37 cw(c4485.98,5394.35) 4444.98,5353.36 4441.1,5357.24 cw(c4466.76,5382.9) 4430.47,5382.9 4430.47,5397.4 cw(c4466.59,5397.4) 4441.05,5422.94 4449.5,5431.39 cw(c4482.44,5398.46) 4482.44,5445.03
  pour cut-out: 5874.56,6510.78 cw(c5874.56,6456.61) 5912.87,6494.91 5917.48,6490.31 cw(c5889.91,6462.74) 5928.89,6462.74 5928.89,6456.06 cw(c5874.72,6456.06) 5913.03,6417.75 5911.18,6415.9 cw(c5877.91,6449.17) 5877.91,6402.12 5874.56,6402.12 cw(c5874.56,6460.1) 5833.57,6419.1 5829.68,6422.99 cw(c5855.34,6448.65) 5819.05,6448.65 5819.05,6463.15 cw(c5855.17,6463.15) 5829.63,6488.68 5838.09,6497.14 cw(c5871.02,6464.21) 5871.02,6510.78

## Silkscreen, mask and mechanical layers (free items; w line width, h text height)
Top Overlay:
  drawing of 1559 lines, arcs and shapes, not listed
  text "3V3" at 5179.92,6611.02 h30
  text "GND" at 2866.93,6560.63 h30
  text "3V3_OBDH" at 4500.39,6246.06 h30
  text "7" at 5735.43,5910.24 h29.53 r90
  text "8" at 6210.24,5900.79 h29.53 r90
  text "SPI1" at 3272.05,5712.99 h30
  text "GND" at 4431.5,5671.65 h30
  text "15" at 5735.43,5488.98 h29.53 r90
  text "16" at 6210.24,5488.98 h29.53 r90
  text "ANT" at 2796.06,5394.49 h30
  text "I2C1" at 3818.11,5229.13 h30
  text "23" at 5735.43,5092.13 h29.53 r90
  text "24" at 6210.24,5085.43 h29.53 r90
  text "OBDH / Flight Model / FloripaSat / UFSC 2018" at 4904.33,4927.95 h50
  text "3V3_ANT" at 5326.38,4812.99 h30
  text "GND" at 6210.24,4768.9 h29.53 r90
  text "GND" at 5733.86,4751.97 h29.53 r90
  text "31" at 5735.43,4689.76 h29.53 r90
  text "32" at 6210.24,4687.01 h29.53 r90
  text "system" at 5143.31,4670.08 h30 r90
  text "39" at 5735.43,4290.94 h29.53 r90
  text "40" at 6210.24,4283.86 h29.53 r90
  text "45" at 5735.43,3990.55 h29.53 r90
  text "46" at 6210.24,3985.04 h29.53 r90
  text "VCC" at 4012.99,3502.76 h30 r90
  text "SBWTDIO" at 4065.35,3502.76 h30 r90
  text "SBWTCK" at 4117.72,3502.76 h30 r90
  text "TX" at 4170.08,3502.76 h30 r90
  text "RX" at 4222.44,3502.76 h30 r90
  text "GND" at 4274.8,3502.76 h30 r90
  text "DEBUG" at 3493.7,3362.99 h30
Bottom Overlay:
  drawing of 1531 lines, arcs and shapes, not listed
  text "OBDH / Flight Model / FloripaSat / UFSC 2018" at 4489.37,6231.5 h50
Mechanical 1:
  lines w10: 2258.66,6727.56 6438.19,6727.17 ; 2335.04,3220.87 6406.69,3220.48 ; 2387.17,3280.9 2407.09,3220.87 ; 2392.12,6668.38 2412.2,6728.35 ; 2397.09,3220.88 2417.09,3220.85 ; 2402.2,6728.36 2422.2,6728.33 ; 2409.07,4578.73 2407.09,3220.87 ; 2410.22,5370.48 2412.2,6728.35 ; 2427.17,3280.84 2407.09,3220.87 ; 2432.12,6668.32 2412.2,6728.35 ; 2544.88,444.09 8222.92,444.09 8222.92,1498.33 ; 2568.5,444.09 885.43,444.09 885.43,7329.53 8222.92,7329.53 8222.92,447.64 ; 2572.92,444.09 2572.92,1496.32 8222.92,1496.32 ; 2572.92,621.32 7822.92,621.32 ; 2572.92,808.82 8222.92,808.82 ; 2572.92,996.32 8218.69,996.32 ; 2613.79,2999.61 2614.17,7069.69 ; 2614.55,6999.37 2614.58,6979.37 ; 2674.54,7009.44 2614.57,6989.37 ; 2674.59,6969.44 2614.57,6989.37 ; 4028.93,6991.06 2614.57,6989.37 ; 4410.42,621.32 4410.42,996.32 ; 4820.68,6992.01 6235.04,6993.7 ; 6175.02,7013.63 6235.04,6993.7 ; 6175.06,6973.63 6235.04,6993.7 ; 6222.92,433.82 6222.92,1496.32 ; 6222.92,621.32 8222.92,621.32 ; 6235.05,6983.7 6235.03,7003.7 ; 6235.44,3061.02 6235.82,7099.21 ; 6300,3456 6320,3516 ; 6300,3776.24 6320,3716.24 ; 6310,3516 6330,3516 ; 6310,3716.24 6330,3716.24 ; 6320,3416 6320,3516 ; 6320,3816.24 6320,3716.24 ; 6340,3456 6320,3516 ; 6340,3776.24 6320,3716.24 ; 6378,6156.76 6398,6216.76 ; 6378,6477 6398,6417 ; 6388,6216.76 6408,6216.76 ; 6388,6417 6408,6417 ; 6398,6116.76 6398,6216.76 ; 6398,6517 6398,6417 ; 6418,6156.76 6398,6216.76 ; 6418,6477 6398,6417 ; 7222.92,433.82 7222.92,808.82 ; 7374.2,989.52 7374.2,1497.24
  text "3620.475 (mil)" at 4038.97,6955.08 h60 r0.07
  text "200.24 (mil)" at 6541.96,5990.98 h60 r90
  text "3507.484 (mil)" at 2445.07,4588.68 h60 r89.92
  text "200.24 (mil)" at 6463.96,3290.22 h60 r90
  text "General SPEC:" at 6386.41,2347.94 h121.88
  text "Cupper base 1OZ:" at 6369.68,2192.81 h68.12
  text "PCB Material: FR4" at 6362.6,2090.16 h68.12
  text "PCB Tickness: 1.6mm" at 6368.46,1981.91 h68.12
  text "PCB Surface: ENIG" at 6365.53,1873.67 h68.12
  text "Vias: Force Complete Tenting" at 6351.57,1768.11 h68.12
  text "VER." at 7505.69,1340.54 h95
  text "TITULO: OBDH 2018" at 2651.57,1320.08 h100
  text "REV." at 6366.33,1315.19 h95
  text "Flight" at 7615.83,1097.5 h75.62
  text "01" at 6404.17,1085.81 h75.62
  text "UFSC" at 2662.6,1050.39 h75.62
  text "MATERIAL:" at 2610.42,871.32 h75.62
  text "FR4" at 3272.92,871.32 h75.62
  text "Silkscreen color: white" at 4472.92,871.32 h75.62
  text "1.6mm" at 3771.73,701.54 h75.62
  text "Drawing" at 6284.19,695.41 h75.62
  text "Board Tickness:" at 2610.42,683.82 h75.62
  text "Layers: 02" at 4472.92,683.82 h75.62
  text "DATE" at 7587.92,679.82 h75.62
  text "15/10/2018" at 7403.15,504.33 h75.62
  text "Sara Vega Martinez" at 6270.84,490.78 h68.12
  text "PCB Surface: ENIG" at 2618.73,479.2 h68.12
ASM Top:
  circle w10: c3443.5,3396.06 r17.05
  lines w3.94: 5762,3661.74 5762,6273.94 6163,6273.94 6163,3661.74 5762,3661.74
  lines w10: 3502.76,3751.18 3507.09,3751.18 ; 5089.76,4824.02 5155.91,4824.02 5155.91,4824.8 ; 5140.55,6589.76 5142.91,6589.76 5142.13,6589.76 5142.13,6650.39 ; 5142.91,6494.09 5142.91,6557.48 ; 5665.35,4896.46 5665.35,4833.46 5666.14,4833.46 ; 3507.09,3751.18 2910.63,3751.18 2910.63,4407.87 3507.09,4407.87 3507.09,3751.18 ; 3072.83,3601.97 3372.83,3601.97 3372.83,3701.97 3072.83,3701.97 3072.83,3601.97 ; 3311.42,3247.24 3711.42,3247.24 3711.42,3347.24 3311.42,3347.24 3311.42,3247.24 ; 3755.91,3265.35 4455.91,3265.35 4455.91,3465.35 3755.91,3465.35 3755.91,3265.35 ; 3932.28,5211.42 4132.28,5211.42 4132.28,5313.78 3932.28,5313.78 3932.28,5211.42 ; 5589.37,3573.62 5689.37,3573.62 5689.37,3873.62 5589.37,3873.62 5589.37,3573.62
  text "U16" at 5866.93,5646.06 h39.37 r90
  text "P5" at 3949.21,5230.71 h30
  text "SC1" at 3215.16,4096.17 h60
  text "P1" at 3100.39,3625.98 h60
  text "P7" at 5670.87,3621.65 h30 r90
  text "U10" at 3333.46,3462.2 h35
  text "P2" at 3838.19,3340.55 h60
  text "P3" at 3348.8,3259.69 h60

## Text inside footprints (layer, text, board x,y; h text height)
U16: Top Overlay "1" at 6012.6,6300.39 h29.53 r90; Top Overlay "2" at 6208.66,6207.09 h29.53 r90; Top Overlay "2" at 5933.46,6296.85 h29.53 r90; Top Overlay "1" at 5734.65,6214.57 h29.53 r90; Top Overlay "52" at 6207.09,3686.61 h29.53 r90; Top Overlay "51" at 6026.38,3602.36 h29.53 r90; Top Overlay "51" at 5746.46,3691.34 h29.53 r90; Top Overlay "52" at 5933.86,3594.88 h29.53 r90; Top Overlay "H2" at 6059.45,6295.67 h29.53 r90; Top Overlay "H1" at 5871.65,6298.03 h29.53 r90; ASM Top "PC104" at 5924.8,5642.91 h39.37 r90